# Altium PCB neuro_module.PcbDoc (part 4 of 5)
Units mm, origin at the board's own origin, x right, y up, seen from the top; angles counter-clockwise.
Board outline 96.06 x 102.67 mm, 6 copper layers (Top Layer, Power Layer, Signal Layer 1, GND Plane, Signal Layer 2, Bottom Layer), stack 1.48 mm thick; 479 components, 526 nets, 1822 pads, 1001 vias.
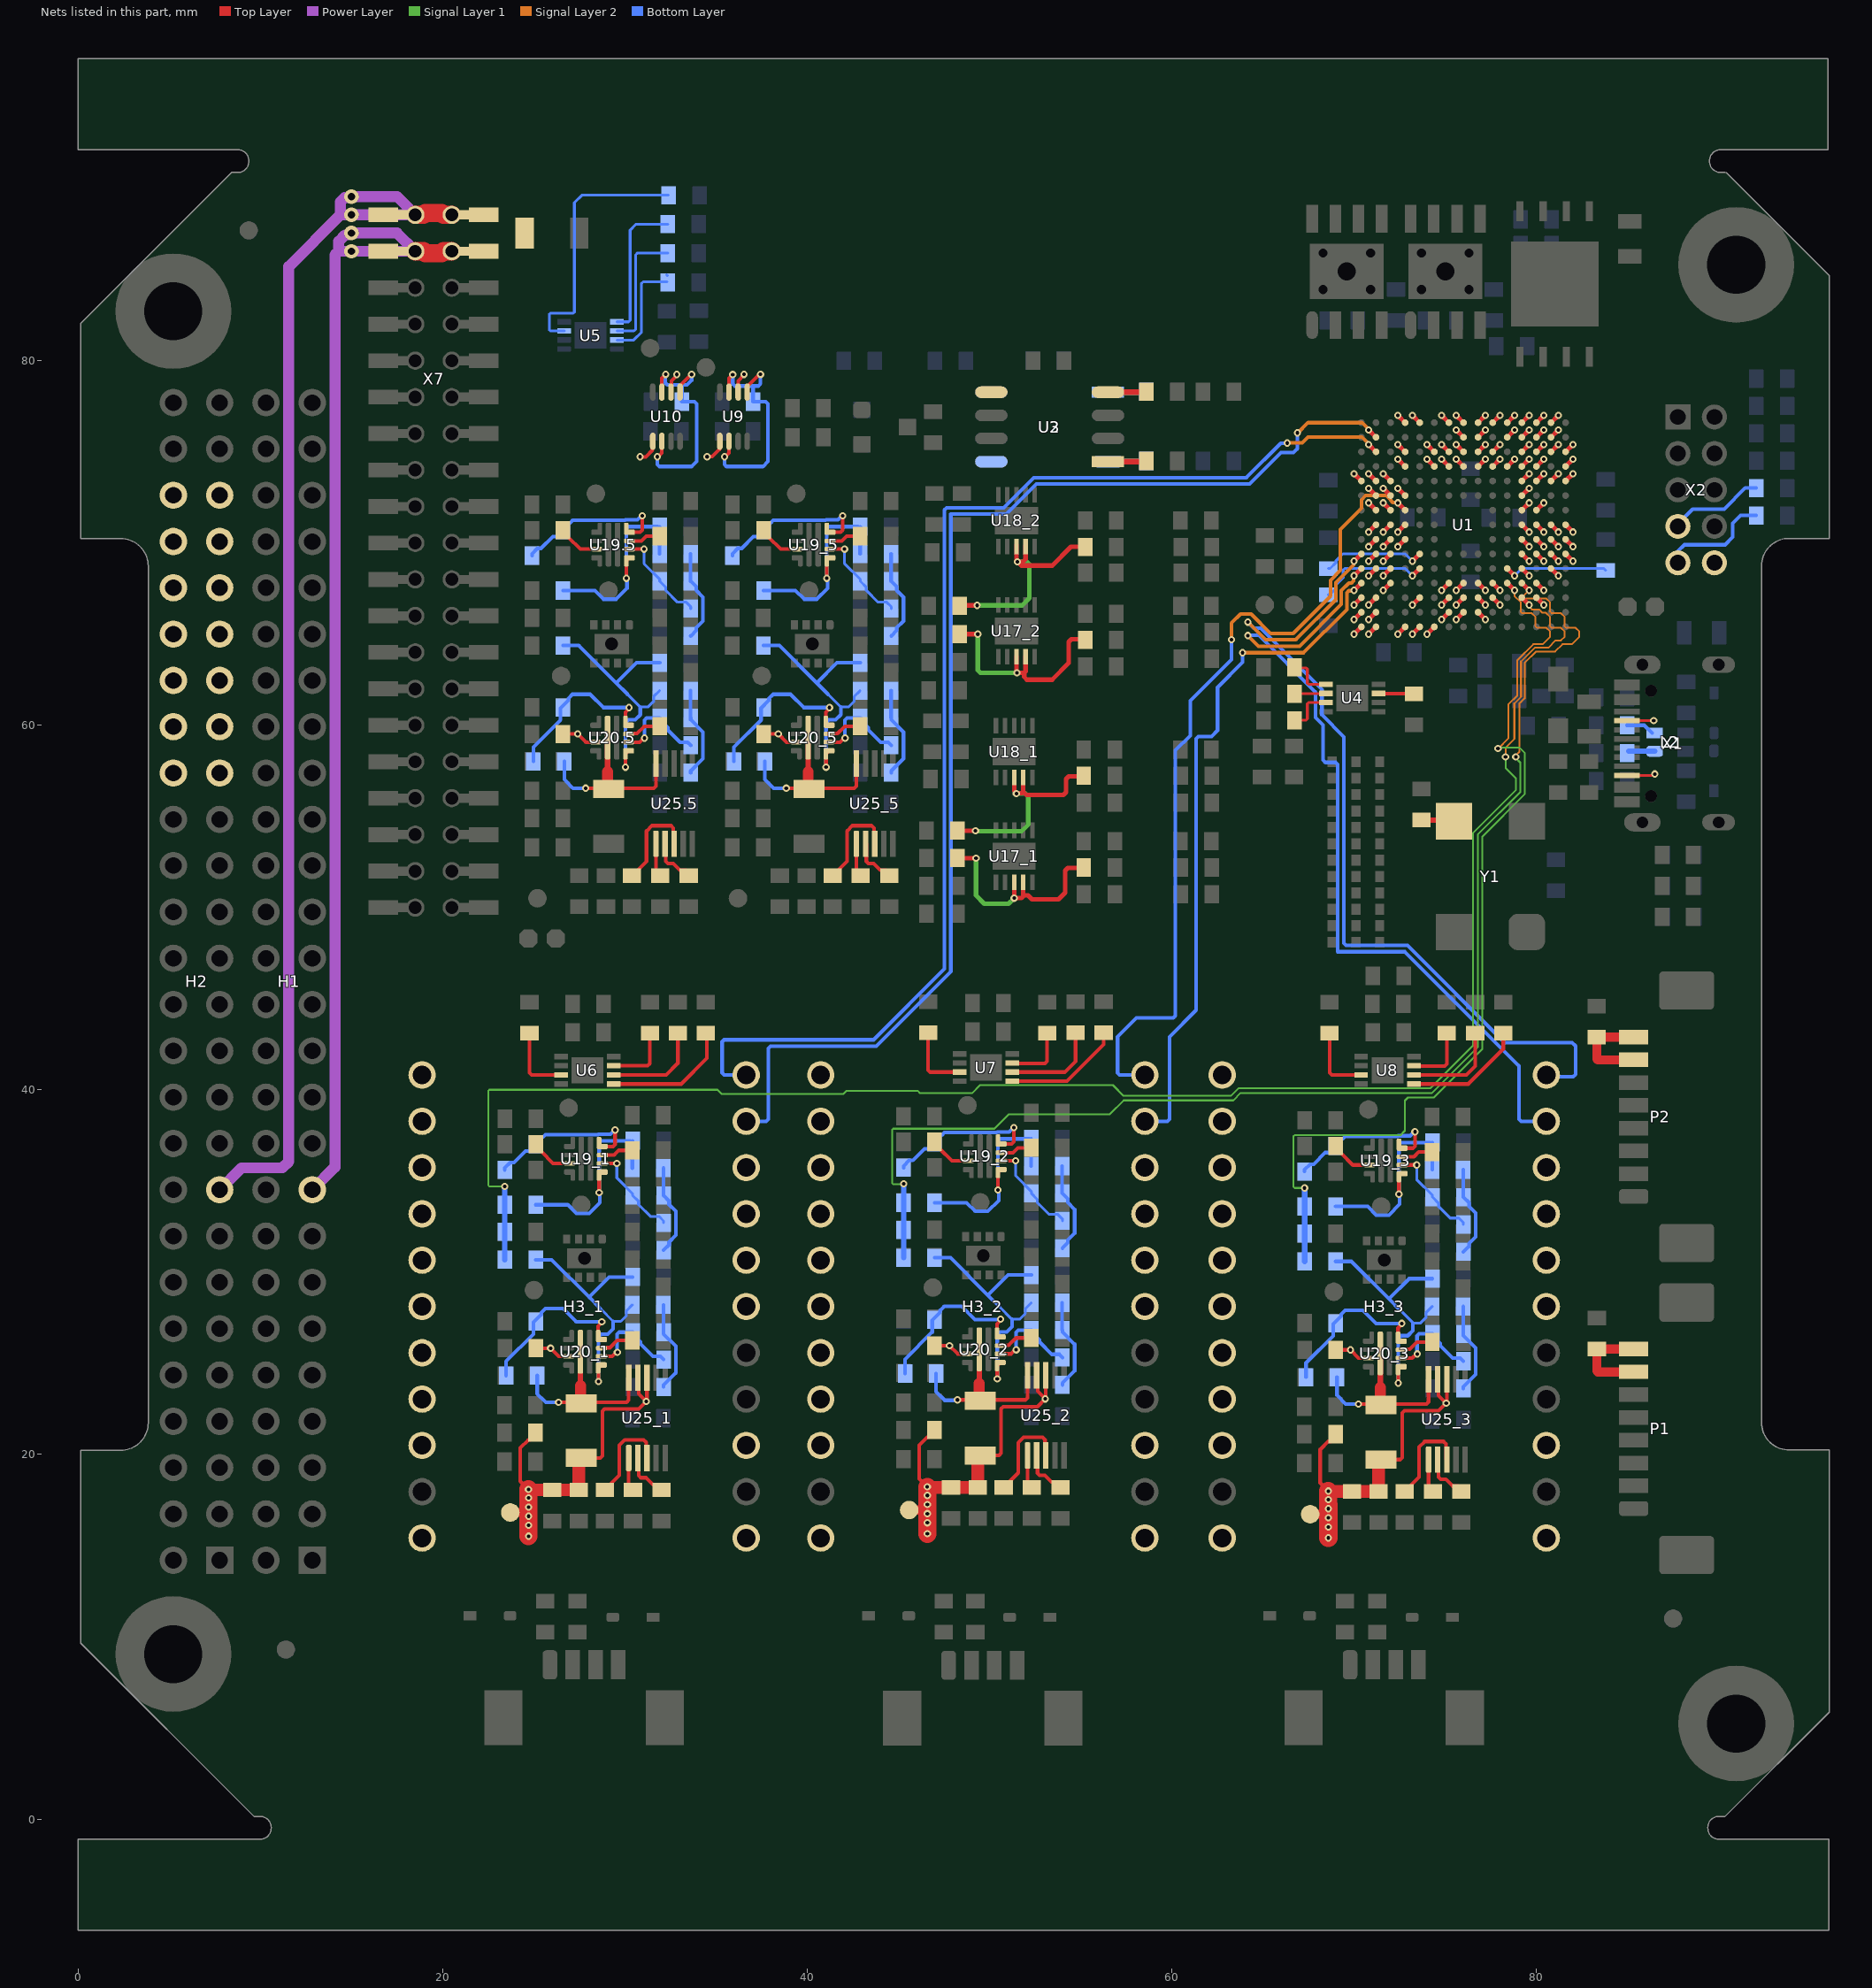
[diagram p8: the nets of this part, all layers, seen from the top]

## Via types
v1: diameter 0.4, hole 0.2, Top Layer to Bottom Layer, tented both sides, 835 vias
v2: diameter 0.8, hole 0.4, Top Layer to Bottom Layer, tented both sides, 89 vias
v3: diameter 1.2, hole 0.8, Top Layer to Bottom Layer, 32 vias
v4: diameter 0.6, hole 0.6, Top Layer to Bottom Layer, tented both sides, 16 vias
v5: diameter 0.4, hole 0.2, Top Layer to Bottom Layer, 11 vias
v6: diameter 0.5, hole 0.2, Top Layer to Bottom Layer, tented top, 8 vias
v7: diameter 0.5, hole 0.25, Top Layer to Bottom Layer, tented both sides, 4 vias
v8: diameter 0.9, hole 0.9, Top Layer to Bottom Layer, 3 vias
v9: diameter 0.5, hole 0.2, Top Layer to Bottom Layer, tented bottom, 2 vias
v10: diameter 0.8, hole 0.5, Top Layer to Bottom Layer, 1 vias

## Nets (pads, with @x,y where several pads share a name; then routed paths per layer and width w, separated by ;. In a path a pad name is that pad's centre, name@x,y a point inside that pad or via, vN(x,y) a via of type N, cw(c..) or ccw(c..) an arc to the next point about the centre after c; other vN are vias at no path point) (continued)
NetH2_35: H2.35
NetH2_36: H2.36
NetH2_37: H2.37
NetH2_38: H2.38
NetH2_39: H2.39
NetH2_40: H2.40
NetH2_41: H2.41
NetH2_42: H2.42
NetH2_43: H2.43
NetH2_44: H2.44
NetH2_45: H2.45
NetH2_46: H2.46
NetH2_47: H2.47
NetH2_48: H2.48
NetH3_1_3: H3_1.3
NetH3_1_6: H3_1.6
NetH3_1_7: H3_1.7
NetH3_1_8: H3_1.8
NetH3_1_9: H3_1.9
NetH3_1_12: H3_1.12
NetH3_1_13: H3_1.13
NetH3_1_14: H3_1.14
NetH3_1_15: H3_1.15
NetH3_1_16: H3_1.16
NetH3_1_17: H3_1.17
NetH3_1_18: H3_1.18
NetH3_1_19: H3_1.19
NetH3_1_20: H3_1.20
NetH3_1_22: H3_1.22
NetH3_2_3: H3_2.3
NetH3_2_6: H3_2.6
NetH3_2_7: H3_2.7
NetH3_2_8: H3_2.8
NetH3_2_9: H3_2.9
NetH3_2_12: H3_2.12
NetH3_2_13: H3_2.13
NetH3_2_14: H3_2.14
NetH3_2_15: H3_2.15
NetH3_2_16: H3_2.16
NetH3_2_17: H3_2.17
NetH3_2_18: H3_2.18
NetH3_2_19: H3_2.19
NetH3_2_20: H3_2.20
NetH3_2_22: H3_2.22
NetH3_3_3: H3_3.3
NetH3_3_6: H3_3.6
NetH3_3_7: H3_3.7
NetH3_3_8: H3_3.8
NetH3_3_9: H3_3.9
NetH3_3_12: H3_3.12
NetH3_3_13: H3_3.13
NetH3_3_14: H3_3.14
NetH3_3_15: H3_3.15
NetH3_3_16: H3_3.16
NetH3_3_17: H3_3.17
NetH3_3_18: H3_3.18
NetH3_3_19: H3_3.19
NetH3_3_20: H3_3.20
NetH3_3_22: H3_3.22
NetL2_1: L2.1 R47.1 | length 1.4
  Bottom Layer w0.3: R47.1@85.07,58.577 L2.1@86.491,58.577
NetL2_4: L2.4 R46.1 | length 1.5
  Bottom Layer w0.2: R46.1@84.97,60 85.918,60 L2.4@86.341,59.577
NetP1_7: P1.7 P1.8 R52.2 | length 5.3
  Top Layer w0.5: P1.7@85.332,24.528 83.372,24.528 83.314,24.586 R52.2@83.314,25.787 P1.8@85.338,25.787
NetP2_7: P2.7 P2.8 R115.2 | length 5.3
  Top Layer w0.1: P2.7@85.331,41.641 P2.7@85.338,41.649 ; P2.8@85.336,42.901 P2.8@85.338,42.899
  Top Layer w0.5: P2.7@85.331,41.641 83.371,41.641 83.312,41.7 R115.2@83.312,42.901 P2.8@85.336,42.901
NetR6_1: R6.1 U2.1 | length 2.1
  Top Layer w0.3: U2.1@56.5,74.46 R6.1@58.56,74.46
NetR9_2: R9.2 U4.5 | length 2.6
  Top Layer w0.1: R9.2@66.724,63.17 R9.2@66.749,63.144
  Top Layer w0.15: R9.2@66.749,63.144 67.378,63.144 67.437,63.086 67.437,62.302 67.496,62.243 U4.5@68.451,62.243
NetR12_2: R12.2 U4.6 | length 1.7
  Top Layer w0.1: R12.2@66.724,61.723 R12.2@66.745,61.743
  Top Layer w0.15: R12.2@66.745,61.743 U4.6@68.451,61.743
NetR13_2: R13.2 U4.7 | length 2.6
  Top Layer w0.15: R13.2@66.724,60.274 67.349,60.274 67.437,60.362 67.437,61.185 67.496,61.243 U4.7@68.451,61.243
NetR14_2: R14.2 U5.5 | length 7.9
  Bottom Layer w0.15: U5.5@29.568,82.132 30.199,82.132 30.286,82.219 30.286,87.157 30.614,87.485 R14.2@32.352,87.485
NetR16_2: R16.2 U5.6 | length 6.9
  Bottom Layer w0.15: U5.6@29.568,81.632 30.499,81.632 30.586,81.719 30.586,85.806 30.674,85.894 R16.2@32.349,85.894
NetR19_1: R19.1 U2.4 | length 2.1
  Top Layer w0.3: U2.4@56.5,78.27 58.574,78.27 R19.1@58.604,78.3
NetR20.5_1: R20.5.1 R22.5.2 R25.5.1 U19.5.1 | length 11.8
  Top Layer w0.2: v1(30.075,68.06) U19.5.1@30.075,69.011 ; U19.5.1@30.088,69 30.1,69.013 30.1,69.186 U19.5.1@30.25,69.186
  Bottom Layer w0.2: R25.5.1@26.602,67.387 28.356,67.387 28.826,66.917 29.524,66.917 30.114,67.508 30.114,68.022 v1(30.075,68.06) 30.075,70.777 30.193,70.894 R20.5.1@31.776,70.894 ; R22.5.2@31.9,69.4 R20.5.1@31.9,70.889
NetR20_1_1: R20_1.1 R22_1.2 R25_1.1 U19_1.1 | length 11.8
  Top Layer w0.2: v1(28.585,34.37) U19_1.1@28.585,35.32 ; U19_1.1@28.597,35.309 28.61,35.322 28.61,35.495 U19_1.1@28.76,35.495
  Bottom Layer w0.2: R25_1.1@25.111,33.697 26.866,33.697 27.336,33.227 28.033,33.227 28.623,33.817 28.623,34.331 v1(28.585,34.37) 28.585,37.086 28.702,37.204 R20_1.1@30.286,37.204 ; R22_1.2@30.409,35.709 R20_1.1@30.409,37.198
NetR20_2_1: R20_2.1 R22_2.2 R25_2.1 U19_2.1 | length 11.8
  Top Layer w0.2: v1(50.464,34.507) U19_2.1@50.464,35.457 ; U19_2.1@50.476,35.446 50.489,35.459 50.489,35.632 U19_2.1@50.639,35.632
  Bottom Layer w0.2: R25_2.1@46.99,33.808 48.744,33.808 49.214,33.338 49.912,33.338 50.502,33.928 50.502,34.443 50.464,34.481 50.464,37.198 50.581,37.315 R20_2.1@52.165,37.315 ; R22_2.2@52.288,35.821 R20_2.1@52.288,37.31
NetR20_3_1: R20_3.1 R22_3.2 R25_3.1 U19_3.1 | length 11.8
  Top Layer w0.2: v1(72.46,34.278) U19_3.1@72.46,35.229 ; U19_3.1@72.472,35.218 72.485,35.231 72.485,35.404 U19_3.1@72.635,35.404
  Bottom Layer w0.2: R25_3.1@68.987,33.605 70.741,33.605 71.211,33.135 71.908,33.135 72.498,33.725 72.498,34.24 v1(72.46,34.278) 72.46,36.995 72.577,37.112 R20_3.1@74.161,37.112 ; R22_3.2@74.285,35.618 R20_3.1@74.285,37.106
NetR20_5_1: R20_5.1 R22_5.2 R25_5.1 U19_5.1 | length 11.8
  Top Layer w0.2: v1(41.075,68.06) U19_5.1@41.075,69.011 ; U19_5.1@41.088,69 41.1,69.013 41.1,69.186 U19_5.1@41.25,69.186
  Bottom Layer w0.2: R25_5.1@37.602,67.387 39.356,67.387 39.826,66.917 40.524,66.917 41.114,67.508 41.114,68.022 v1(41.075,68.06) 41.075,70.777 41.193,70.894 R20_5.1@42.776,70.894 ; R22_5.2@42.9,69.4 R20_5.1@42.9,70.889
NetR21.5_1: R21.5.1 R23.5.2 U19.5.4 | length 8.6
  Top Layer w0.2: U19.5.4@30.25,70.586 30.833,70.586 30.95,70.703 v1(30.95,71.486)
  Bottom Layer w0.2: R21.5.1@24.901,69.307 24.901,69.407 25.201,69.707 25.404,69.707 26.042,70.345 26.303,70.345 26.603,70.645 26.603,70.808 26.903,71.108 27.003,71.108 27.133,71.238 30.013,71.238 30.039,71.264 30.69,71.264 30.911,71.486 v1(30.95,71.486)
NetR21_1_1: R21_1.1 R23_1.2 U19_1.4 | length 8.6
  Top Layer w0.2: U19_1.4@28.76,36.895 29.343,36.895 29.46,37.012 v1(29.46,37.795)
  Bottom Layer w0.2: R21_1.1@23.411,35.616 23.411,35.716 23.711,36.016 23.913,36.016 24.551,36.654 24.812,36.654 25.112,36.954 25.112,37.117 25.412,37.417 25.512,37.417 25.642,37.547 28.522,37.547 28.549,37.574 29.199,37.574 29.421,37.795 v1(29.46,37.795)
NetR21_2_1: R21_2.1 R23_2.2 U19_2.4 | length 8.6
  Top Layer w0.2: U19_2.4@50.639,37.032 51.221,37.032 51.339,37.149 v1(51.339,37.932)
  Bottom Layer w0.2: R21_2.1@45.29,35.728 45.29,35.828 45.59,36.128 45.792,36.128 46.43,36.765 46.691,36.765 46.991,37.065 46.991,37.229 47.291,37.529 47.391,37.529 47.521,37.659 50.401,37.659 50.428,37.685 51.078,37.685 51.299,37.907 v1@51.339,37.907
NetR21_3_1: R21_3.1 R23_3.2 U19_3.4 | length 8.6
  Top Layer w0.2: U19_3.4@72.635,36.804 73.218,36.804 73.335,36.921 v1(73.335,37.704)
  Bottom Layer w0.2: R21_3.1@67.286,35.524 67.286,35.624 67.586,35.924 67.789,35.924 68.426,36.562 68.687,36.562 68.987,36.862 68.987,37.026 69.287,37.326 69.387,37.326 69.517,37.456 72.398,37.456 72.424,37.482 73.074,37.482 73.296,37.704 v1(73.335,37.704)
NetR21_5_1: R21_5.1 R23_5.2 U19_5.4 | length 8.6
  Top Layer w0.2: U19_5.4@41.25,70.586 41.833,70.586 41.95,70.703 v1(41.95,71.486)
  Bottom Layer w0.2: R21_5.1@35.901,69.307 35.901,69.407 36.201,69.707 36.404,69.707 37.042,70.345 37.303,70.345 37.603,70.645 37.603,70.808 37.903,71.108 38.003,71.108 38.133,71.238 41.013,71.238 41.039,71.264 41.69,71.264 41.911,71.486 v1(41.95,71.486)
NetR22.5_1: R22.5.1 R24.5.2 R27.5.2 | length 5
  Bottom Layer w0.2: R24.5.2@33.6,67.911 R22.5.1@33.6,69.4 ; R27.5.2@33.611,64.9 33.911,65.2 33.911,65.346 34.281,65.716 34.281,67.03 33.911,67.4 33.911,67.6 R24.5.2@33.611,67.9
NetR22_1_1: R22_1.1 R24_1.2 R27_1.2 | length 5
  Bottom Layer w0.2: R24_1.2@32.109,34.22 R22_1.1@32.109,35.709 ; R27_1.2@32.121,31.209 32.421,31.509 32.421,31.656 32.791,32.026 32.791,33.339 32.421,33.709 32.421,33.909 R24_1.2@32.121,34.209
NetR22_2_1: R22_2.1 R24_2.2 R27_2.2 | length 5
  Bottom Layer w0.2: R24_2.2@53.988,34.332 R22_2.1@53.988,35.821 ; R27_2.2@53.999,31.321 54.299,31.621 54.299,31.767 54.669,32.137 54.669,33.451 54.299,33.821 54.299,34.021 R24_2.2@53.999,34.321
NetR22_3_1: R22_3.1 R24_3.2 R27_3.2 | length 5
  Bottom Layer w0.2: R24_3.2@75.985,34.129 R22_3.1@75.985,35.618 ; R27_3.2@75.996,31.118 76.296,31.418 76.296,31.564 76.666,31.934 76.666,33.248 76.296,33.618 76.296,33.818 R24_3.2@75.996,34.118
NetR22_5_1: R22_5.1 R24_5.2 R27_5.2 | length 5
  Bottom Layer w0.2: R24_5.2@44.6,67.911 R22_5.1@44.6,69.4 ; R27_5.2@44.611,64.9 44.911,65.2 44.911,65.346 45.281,65.716 45.281,67.03 44.911,67.4 44.911,67.6 R24_5.2@44.611,67.9
NetR24.5_1: R24.5.1 R28.5.2 U19.5.2 | length 5.4
  Top Layer w0.2: U19.5.2@30.25,69.661 v1(31.048,69.661)
  Bottom Layer w0.15: v1(31.048,69.661) 31.048,68.863 31.911,68 R24.5.1@31.911,67.9 32.236,67.575 32.236,67.399 32.885,66.75 33.361,66.75 33.611,66.5 R28.5.2@33.611,66.4
NetR24_1_1: R24_1.1 R28_1.2 U19_1.2 | length 5.4
  Top Layer w0.2: U19_1.2@28.76,35.97 v1(29.557,35.97)
  Bottom Layer w0.15: v1(29.557,35.97) 29.557,35.172 30.421,34.309 R24_1.1@30.421,34.209 30.746,33.884 30.746,33.708 31.394,33.059 31.871,33.059 32.121,32.809 R28_1.2@32.121,32.709
NetR24_2_1: R24_2.1 R28_2.2 U19_2.2 | length 5.4
  Top Layer w0.2: U19_2.2@50.639,36.107 v1(51.436,36.107)
  Bottom Layer w0.15: v1@51.436,36.082 51.436,35.284 52.299,34.421 R24_2.1@52.299,34.321 52.624,33.996 52.624,33.82 53.273,33.171 53.749,33.171 53.999,32.921 R28_2.2@53.999,32.821
NetR24_3_1: R24_3.1 R28_3.2 U19_3.2 | length 5.4
  Top Layer w0.2: U19_3.2@72.635,35.879 v1(73.433,35.879)
  Bottom Layer w0.15: v1(73.433,35.879) 73.433,35.081 74.296,34.218 R24_3.1@74.296,34.118 74.621,33.793 74.621,33.617 75.27,32.968 75.746,32.968 75.996,32.718 R28_3.2@75.996,32.618
NetR24_5_1: R24_5.1 R28_5.2 U19_5.2 | length 5.4
  Top Layer w0.2: U19_5.2@41.25,69.661 v1(42.048,69.661)
  Bottom Layer w0.15: v1(42.048,69.661) 42.048,68.863 42.911,68 R24_5.1@42.911,67.9 43.236,67.575 43.236,67.399 43.885,66.75 44.361,66.75 44.611,66.5 R28_5.2@44.611,66.4
NetR29.5_1: R29.5.1 R37.5.1 R39.5.2 U20.5.1 | length 14.9
  Top Layer w0.2: v1(30.035,57.7) 30.035,58.435 U20.5.1@30.2,58.6
  Bottom Layer w0.15: 30.142,61.7 30.845,60.998 31.262,60.998 31.575,61.31 31.575,61.575 R39.5.2@31.9,61.9
  Bottom Layer w0.2: R29.5.1@26.601,64.374 27.469,64.374 29.524,62.319 ; v1(30.035,57.7) 30.035,60.135 30.198,60.298 30.559,60.298 30.845,60.584 30.845,60.998 ; 30.142,61.7 29.524,62.319 ; R37.5.1@31.911,63.425 30.63,63.425 29.524,62.319
NetR29_1_1: R29_1.1 R37_1.1 R39_1.2 U20_1.1 | length 14.9
  Top Layer w0.2: v1(28.545,24.009) 28.545,24.745 U20_1.1@28.709,24.909
  Bottom Layer w0.15: 28.652,28.009 29.354,27.307 29.772,27.307 30.084,27.62 30.084,27.884 R39_1.2@30.409,28.209
  Bottom Layer w0.2: R29_1.1@25.111,30.683 25.978,30.683 28.033,28.628 ; v1(28.545,24.009) 28.545,26.445 28.707,26.607 29.068,26.607 29.354,26.893 29.354,27.307 ; 28.652,28.009 28.033,28.628 ; R37_1.1@30.421,29.734 29.139,29.734 28.033,28.628
NetR29_2_1: R29_2.1 R37_2.1 R39_2.2 U20_2.1 | length 14.9
  Top Layer w0.2: v1(50.424,24.146) 50.424,24.882 U20_2.1@50.588,25.046
  Bottom Layer w0.15: 50.53,28.121 51.233,27.418 51.65,27.418 51.963,27.731 51.963,27.996 R39_2.2@52.288,28.321
  Bottom Layer w0.2: R29_2.1@46.99,30.794 47.857,30.794 49.912,28.74 ; v1@50.424,24.121 50.424,26.556 50.586,26.719 50.947,26.719 51.233,27.004 51.233,27.418 ; 50.53,28.121 49.912,28.74 ; R37_2.1@52.299,29.846 51.018,29.846 49.912,28.74
NetR29_3_1: R29_3.1 R37_3.1 R39_3.2 U20_3.1 | length 14.9
  Top Layer w0.2: v1(72.42,23.918) 72.42,24.653 U20_3.1@72.585,24.818
  Bottom Layer w0.15: 72.527,27.918 73.229,27.215 73.647,27.215 73.96,27.528 73.96,27.793 R39_3.2@74.285,28.118
  Bottom Layer w0.2: R29_3.1@68.986,30.591 69.853,30.591 71.908,28.536 ; v1(72.42,23.918) 72.42,26.353 72.582,26.515 72.944,26.515 73.229,26.801 73.229,27.215 ; 72.527,27.918 71.908,28.536 ; R37_3.1@74.296,29.643 73.015,29.643 71.908,28.536
NetR29_5_1: R29_5.1 R37_5.1 R39_5.2 U20_5.1 | length 14.9
  Top Layer w0.2: v1(41.035,57.7) 41.035,58.435 U20_5.1@41.2,58.6
  Bottom Layer w0.15: 41.142,61.7 41.845,60.998 42.262,60.998 42.575,61.31 42.575,61.575 R39_5.2@42.9,61.9
  Bottom Layer w0.2: R29_5.1@37.601,64.374 38.469,64.374 40.524,62.319 ; v1(41.035,57.7) 41.035,60.135 41.198,60.298 41.559,60.298 41.845,60.584 41.845,60.998 ; 41.142,61.7 40.524,62.319 ; R37_5.1@42.911,63.425 41.63,63.425 40.524,62.319
NetR30.5_2: R30.5.2 U19.5.9 | length 2.2
  Top Layer w0.2: R30.5.2@26.603,70.508 26.703,70.508 R30.5.2@26.903,70.308 ; R30.5.2@26.903,70.308 27.549,69.661 U19.5.9@28.45,69.661
NetR30_1_2: R30_1.2 U19_1.9 | length 2.2
  Top Layer w0.2: R30_1.2@25.112,36.817 25.212,36.817 25.412,36.617 26.059,35.97 U19_1.9@26.96,35.97
NetR30_2_2: R30_2.2 U19_2.9 | length 2.2
  Top Layer w0.2: R30_2.2@46.991,36.954 47.091,36.954 47.291,36.754 47.938,36.107 U19_2.9@48.839,36.107
NetR30_3_2: R30_3.2 U19_3.9 | length 2.2
  Top Layer w0.2: R30_3.2@68.987,36.726 69.087,36.726 69.287,36.526 69.934,35.879 U19_3.9@70.835,35.879
NetR30_5_2: R30_5.2 U19_5.9 | length 2.2
  Top Layer w0.2: R30_5.2@37.603,70.508 37.703,70.508 R30_5.2@37.903,70.308 ; R30_5.2@37.903,70.308 38.549,69.661 U19_5.9@39.45,69.661
NetR31.5_2: R31.5.2 U19.5.3 | length 1.8
  Top Layer w0.2: U19.5.3@30.25,70.111 30.899,70.111 31.163,70.375 R31.5.2@31.9,70.375
NetR31_1_2: R31_1.2 U19_1.3 | length 1.8
  Top Layer w0.2: U19_1.3@28.76,36.42 29.409,36.42 29.673,36.684 R31_1.2@30.409,36.684
NetR31_2_2: R31_2.2 U19_2.3 | length 1.8
  Top Layer w0.2: U19_2.3@50.639,36.557 51.288,36.557 51.552,36.821 R31_2.2@52.288,36.821
NetR31_3_2: R31_3.2 U19_3.3 | length 1.8
  Top Layer w0.2: U19_3.3@72.635,36.329 73.284,36.329 73.548,36.593 R31_3.2@74.285,36.593
NetR31_5_2: R31_5.2 U19_5.3 | length 1.8
  Top Layer w0.2: U19_5.3@41.25,70.111 41.899,70.111 42.163,70.375 R31_5.2@42.9,70.375
NetR38.5_1: R38.5.1 R40.5.2 U20.5.4 | length 8.8
  Top Layer w0.2: U20.5.4@30.025,60.225 30.025,60.718 30.225,60.918 v1(30.225,60.973)
  Bottom Layer w0.2: R38.5.1@24.978,58.02 24.978,58.8 26.468,60.29 26.468,60.938 26.903,61.373 26.903,61.475 27.128,61.7 28.089,61.7 28.817,60.973 v1(30.225,60.973)
NetR38.5_2: R38.5.2 R81.5.2 U20.5.6 U25.5.10 | length 10.3
  Top Layer w0.2: v1(27.85,56.55) 29.05,56.55 31.583,56.55 31.7,56.668 U25.5.10@31.7,57.9
  Top Layer w0.3: R81.5.2@29.05,56.55 R81.5.2@29.1,56.5 ; 29.05,57.461 U20.5.6@29.05,59.325
  Top Layer w0.6: R81.5.2@29.05,56.55 29.05,57.461
  Bottom Layer w0.2: R38.5.2@26.678,58.02 26.678,57.025 27.152,56.55 v1(27.85,56.55)
NetR38_1_1: R38_1.1 R40_1.2 U20_1.4 | length 8.8
  Top Layer w0.2: U20_1.4@28.534,26.534 28.534,27.028 28.734,27.228 v1(28.734,27.282)
  Bottom Layer w0.2: R38_1.1@23.487,24.329 23.487,25.109 24.977,26.599 24.977,27.247 25.412,27.682 25.412,27.784 25.637,28.009 26.599,28.009 27.326,27.282 v1(28.734,27.282)
NetR38_1_2: R38_1.2 R81_1.2 U20_1.6 U25_1.10 | length 10.3
  Top Layer w0.2: v1(26.36,22.86) 27.559,22.86 30.092,22.86 30.209,22.977 U25_1.10@30.209,24.209
  Top Layer w0.3: 27.559,23.77 U20_1.6@27.559,25.634 ; R81_1.2@27.559,22.86 R81_1.2@27.61,22.809
  Top Layer w0.6: R81_1.2@27.559,22.86 27.559,23.77
  Bottom Layer w0.2: R38_1.2@25.187,24.329 25.187,23.334 25.662,22.86 v1(26.36,22.86)
NetR38_2_1: R38_2.1 R40_2.2 U20_2.4 | length 8.8
  Top Layer w0.2: U20_2.4@50.413,26.671 50.413,27.165 50.613,27.365 v1(50.613,27.419)
  Bottom Layer w0.2: R38_2.1@45.366,24.44 45.366,25.221 46.856,26.71 46.856,27.359 47.291,27.793 47.291,27.896 47.516,28.121 48.478,28.121 49.205,27.393 v1@50.613,27.393
NetR38_2_2: R38_2.2 R81_2.2 U20_2.6 U25_2.10 | length 10.3
  Top Layer w0.2: v1(48.239,22.997) 49.438,22.997 51.971,22.997 52.088,23.114 U25_2.10@52.088,24.346
  Top Layer w0.3: R81_2.2@49.438,22.997 R81_2.2@49.489,22.946 ; 49.438,23.907 U20_2.6@49.438,25.771
  Top Layer w0.6: R81_2.2@49.438,22.997 49.438,23.907
  Bottom Layer w0.2: R38_2.2@47.066,24.44 47.066,23.445 47.54,22.971 v1@48.239,22.971
NetR38_3_1: R38_3.1 R40_3.2 U20_3.4 | length 8.8
  Top Layer w0.2: U20_3.4@72.41,26.443 72.41,26.936 72.61,27.136 v1(72.61,27.19)
  Bottom Layer w0.2: R38_3.1@67.363,24.237 67.363,25.017 68.853,26.507 68.853,27.156 69.287,27.59 69.287,27.693 69.512,27.918 70.474,27.918 71.202,27.19 v1(72.61,27.19)
NetR38_3_2: R38_3.2 R81_3.2 U20_3.6 U25_3.10 | length 10.3
  Top Layer w0.2: v1(70.235,22.768) 71.435,22.768 73.967,22.768 74.085,22.885 U25_3.10@74.085,24.118
  Top Layer w0.3: R81_3.2@71.435,22.768 R81_3.2@71.485,22.718 ; 71.435,23.678 U20_3.6@71.435,25.543
  Top Layer w0.6: R81_3.2@71.435,22.768 71.435,23.678
  Bottom Layer w0.2: R38_3.2@69.063,24.237 69.063,23.242 69.537,22.768 v1(70.235,22.768)
NetR38_5_1: R38_5.1 R40_5.2 U20_5.4 | length 8.8
  Top Layer w0.2: U20_5.4@41.025,60.225 41.025,60.718 41.225,60.918 v1(41.225,60.973)
  Bottom Layer w0.2: R38_5.1@35.978,58.02 35.978,58.8 37.468,60.29 37.468,60.938 37.903,61.373 37.903,61.475 38.128,61.7 39.089,61.7 39.817,60.973 v1(41.225,60.973)
NetR38_5_2: R38_5.2 R81_5.2 U20_5.6 U25_5.10 | length 10.3
  Top Layer w0.2: v1(38.85,56.55) 40.05,56.55 42.583,56.55 42.7,56.668 U25_5.10@42.7,57.9
  Top Layer w0.3: R81_5.2@40.05,56.55 R81_5.2@40.1,56.5 ; 40.05,57.461 U20_5.6@40.05,59.325
  Top Layer w0.6: R81_5.2@40.05,56.55 40.05,57.461
  Bottom Layer w0.2: R38_5.2@37.678,58.02 37.678,57.025 38.152,56.55 v1(38.85,56.55)
NetR39.5_1: R39.5.1 R41.5.2 R43.5.2 | length 5.1
  Bottom Layer w0.2: R39.5.1@33.6,61.9 33.6,60.411 R41.5.2@33.611,60.4 33.611,60.3 34.281,59.63 34.281,58.17 33.611,57.5 R43.5.2@33.611,57.4
NetR39_1_1: R39_1.1 R41_1.2 R43_1.2 | length 5.1
  Bottom Layer w0.2: R39_1.1@32.109,28.209 32.109,26.72 32.121,26.709 32.121,26.609 32.791,25.939 32.791,24.479 32.121,23.809 R43_1.2@32.121,23.709
NetR39_2_1: R39_2.1 R41_2.2 R43_2.2 | length 5.1
  Bottom Layer w0.2: R39_2.1@53.988,28.321 53.988,26.832 R41_2.2@53.999,26.821 53.999,26.721 54.669,26.051 54.669,24.591 53.999,23.921 R43_2.2@53.999,23.821
NetR39_3_1: R39_3.1 R41_3.2 R43_3.2 | length 5.1
  Bottom Layer w0.2: R39_3.1@75.985,28.118 75.985,26.629 R41_3.2@75.996,26.618 75.996,26.518 76.666,25.848 76.666,24.388 75.996,23.718 R43_3.2@75.996,23.618
NetR39_5_1: R39_5.1 R41_5.2 R43_5.2 | length 5.1
  Bottom Layer w0.2: R39_5.1@44.6,61.9 44.6,60.411 R41_5.2@44.611,60.4 44.611,60.3 45.281,59.63 45.281,58.17 44.611,57.5 R43_5.2@44.611,57.4
NetR41.5_1: R41.5.1 R44.5.2 U20.5.2 | length 5.3
  Top Layer w0.2: U20.5.2@30.2,59.075 30.801,59.075 31.022,59.296 v1(31.077,59.296)
  Bottom Layer w0.2: v1(31.077,59.296) 31.067,59.306 31.067,60.283 31.184,60.4 R41.5.1@31.911,60.4 31.911,60.3 32.348,59.863 32.348,59.753 33.028,59.073 33.438,59.073 R44.5.2@33.611,58.9
NetR41_1_1: R41_1.1 R44_1.2 U20_1.2 | length 5.3
  Top Layer w0.2: U20_1.2@28.709,25.384 29.31,25.384 29.532,25.606 v1(29.586,25.606)
  Bottom Layer w0.2: v1(29.586,25.606) 29.577,25.615 29.577,26.592 29.694,26.709 R41_1.1@30.421,26.709 30.421,26.609 30.857,26.173 30.857,26.063 31.538,25.382 31.948,25.382 R44_1.2@32.121,25.209
NetR41_2_1: R41_2.1 R44_2.2 U20_2.2 | length 5.3
  Top Layer w0.2: U20_2.2@50.588,25.521 51.189,25.521 51.411,25.743 v1(51.465,25.743)
  Bottom Layer w0.2: v1@51.465,25.717 51.456,25.727 51.456,26.704 51.573,26.821 R41_2.1@52.299,26.821 52.299,26.721 52.736,26.284 52.736,26.174 53.417,25.494 53.827,25.494 R44_2.2@53.999,25.321
NetR41_3_1: R41_3.1 R44_3.2 U20_3.2 | length 5.3
  Top Layer w0.2: U20_3.2@72.585,25.293 73.186,25.293 73.407,25.514 v1(73.461,25.514)
  Bottom Layer w0.2: v1(73.461,25.514) 73.452,25.523 73.452,26.5 73.569,26.618 R41_3.1@74.296,26.618 74.296,26.518 74.732,26.081 74.732,25.971 75.413,25.29 75.823,25.29 R44_3.2@75.996,25.118
NetR41_5_1: R41_5.1 R44_5.2 U20_5.2 | length 5.3
  Top Layer w0.2: U20_5.2@41.2,59.075 41.801,59.075 42.022,59.296 v1(42.077,59.296)
  Bottom Layer w0.2: v1(42.077,59.296) 42.067,59.306 42.067,60.283 42.184,60.4 R41_5.1@42.911,60.4 42.911,60.3 43.348,59.863 43.348,59.753 44.028,59.073 44.438,59.073 R44_5.2@44.611,58.9